# Altium PCB PCB2.PcbDoc (part 1 of 2) (continued)
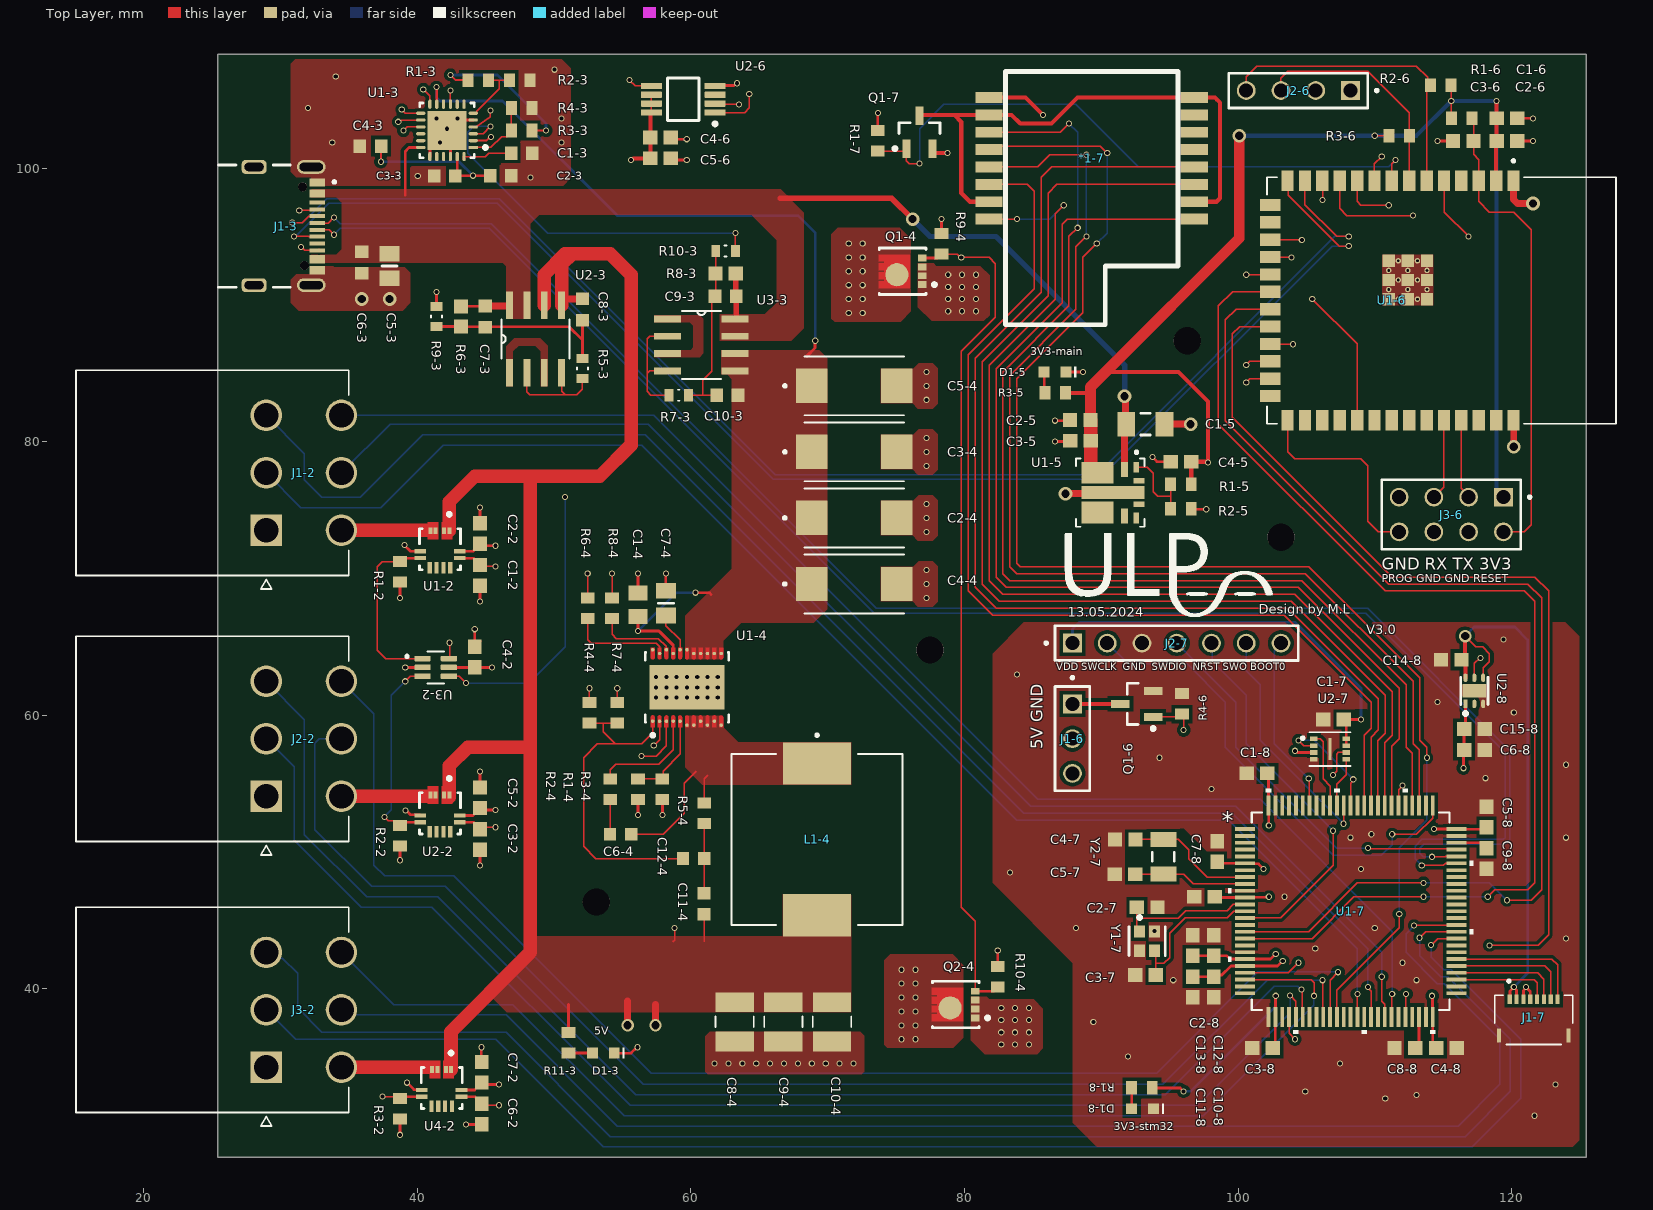
[diagram p0: Top Layer view]
## Components (designator, comment, footprint, x,y, rotation, side; value= is the part's Value field where it differs from the comment) (continued)

## Footprints (in the part's own frame and the unit in brackets; to place one, negate y for a bottom-side part, rotate by r counter-clockwise, add the part's x,y. Pads: shape width x height; smd on the part's side, far side on the other; paste and mask are expansions set on the pad)
ALEG-EX-12_V [mm] "QFN, 12-Leads, Body 3x3mm, Height 0.8mm"
  rect 0.5x0.3 smd paste-0.5 mask-0.5: 1(-1.348,0.682) 2(-1.348,0.301) 3(-1.348,-0.318) 4(-1.348,-0.699)
  rect 0.3x0.85 smd: 5(0.148,-1.45) 6(0.648,-1.45) 11(0.648,1.45) 12(0.148,1.45)
  rect 0.85x0.3 smd: 7(1.348,-0.75) 8(1.348,-0.25) 9(1.348,0.25) 10(1.348,0.75)
  Top Layer region: -2.002,-0.9 -0.702,-0.9 -0.702,-0.1 -2.002,-0.1
  Top Layer region: -2.002,0.1 -0.702,0.1 -0.702,0.9 -2.002,0.9
  silkscreen extent -2.68,-1.5 1.5,1.5, body extent -1.5,-1.5 1.5,1.5, height 0.81
ANTC3225X280N [mm]
  rect 1.45x2.81 smd: 1(-1.43,0) 2(1.43,0)
  silkscreen extent -0.39,-1.4 0.39,1.4, body extent -1.6,-1.25 1.6,1.25, height 2.8
CAPC1608X90N [mm]
  rect 0.89x0.93 smd: 1(-0.77,0) 2(0.77,0)
  body extent -0.8,-0.4 0.8,0.4, height 0.45
CAPC1608X94N [mm]
  rect 0.92x0.98 smd: 1(-0.775,0) 2(0.775,0)
  body extent -0.8,-0.41 0.8,0.41, height 0.5
CAPC1608X94X35NL15T15 [mm] "Chip Capacitor, 2-Leads, Body 1.75x0.96mm, IPC Medium Density"
  rect 1.05x1 smd: 1(-0.75,0) 2(0.75,0)
  body extent -0.87,-0.48 0.87,0.48, height 0.94
CAPC2012X135N [mm]
  rect 1.1x1.38 smd: 1(-0.863,0) 2(0.863,0)
  body extent -1,-0.63 1,0.63, height 1.35
CAPC2012X140N [mm]
  rect 1.15x1.45 smd: 1(-0.9,0) 2(0.9,0)
  silkscreen extent 0,-0.55 0,0.55, body extent -1,-0.63 1,0.63, height 1.35
CAPC3216X180X50NL20T25 [mm] "Chip Capacitor, 2-Leads, Body 3.40x1.80mm, IPC Medium Density"
  rect 1.3x1.8 smd: 1(-1.4,0) 2(1.4,0)
  silkscreen extent -0.35,-0.8 0.35,0.8, body extent -1.7,-0.9 1.7,0.9, height 1.8
CAPPM7343X310N [mm]
  rect 2.3x2.52 smd: 1(-3.11,0) 2(3.11,0)
  silkscreen extent -5.18,-2.15 3.65,2.15, body extent -3.65,-2.15 3.65,2.15, height 3.1
DGK0008A_M [mm] "TSOP, 8-Leads, Body 3.1x3.1mm, Pitch 0.65mm, IPC Low Density"
  rrect22% 1.55x0.45 smd: 1(-2.325,0.975) 2(-2.325,0.325) 3(-2.325,-0.325) 4(-2.325,-0.975) 5(2.325,-0.975) 6(2.325,-0.325) 7(2.325,0.325) 8(2.325,0.975)
  silkscreen extent -2.45,-1.55 1.15,1.92, body extent -2.45,-1.5 2.45,1.5, height 0.94
FP-002-16934-IPC_C [mm]
  rect 0.681x0.239 smd paste+0 mask+0: 1(-1.916,1.25)
  rrect100% 0.681x0.239 smd paste+0 mask+0: 2(-1.916,0.75) 3(-1.916,0.25) 4(-1.916,-0.25) 5(-1.916,-0.75) 6(-1.916,-1.25) 13(1.916,-1.25) 14(1.916,-0.75) 15(1.916,-0.25) 16(1.916,0.25) 17(1.916,0.75) 18(1.916,1.25)
  rrect100% 0.239x0.681 smd paste+0 mask+0: 7(-1.25,-1.916) 8(-0.75,-1.916) 9(-0.25,-1.916) 10(0.25,-1.916) 11(0.75,-1.916) 12(1.25,-1.916) 19(1.25,1.916) 20(0.75,1.916) 21(0.25,1.916) 22(-0.25,1.916) 23(-0.75,1.916) 24(-1.25,1.916)
  rect 2.85x2.85 smd paste-1000 mask+0: 25(0,0)
  silkscreen extent -2.93,-2 2,2, body extent -2.36,-2.36 2.36,2.36, height 0.25
FP-ABS07-MFG [mm]
  rect 1.1x1.9 smd paste+0 mask+0: 1(-1.25,0) 2(1.25,0)
  silkscreen extent -0.33,-0.8 0.33,0.8, body extent -1.9,-1.05 1.9,1.05, height 0.25
FP-CX2016DB-MFG [mm]
  rect 0.9x0.8 smd paste+0 mask+0: 1(-0.7,-0.55) 2(0.7,-0.55) 3(0.7,0.55) 4(-0.7,0.55)
  silkscreen extent -1.85,-1.33 1.05,1.33, body extent -1.25,-1.05 1.25,1.05, height 0.25
FP-DQG0008A-MFG [mm]
  rect 0.5x0.63 smd paste-1000 mask+0: 1(-0.975,-1.435) 2(-0.325,-1.435) 3(0.325,-1.435) 4(0.975,-1.435)
  round 1.696 smd paste-1000 mask+0: 5-6-7-8(-0.25,0.415)
  Top Layer region: -1.225,-0.56 1.225,-0.56 1.225,1.75 0.725,1.75 0.725,1.34 0.575,1.34 0.575,1.75 0.075,1.75 0.075,1.34 -0.075,1.34 -0.075,1.75 -0.575,1.75 -0.575,1.34 -0.725,1.34 -0.725,1.75 -1.225,1.75 -1.225,-0.56
  silkscreen extent -1.7,-2.45 1.7,1.7, body extent -1.8,-1.85 1.8,1.85, height 0.25
FP-DQP0022A-MFG [mm]
  round 0.252 smd paste-1000 mask+0: 1(-2.475,2.5) 2(-2.475,2) 3(-2.475,1.5) 4(-2.475,1) 5(-2.475,0.5) 6(-2.76,0) 7(-2.76,-0.5) 8(-2.475,-1) 9(-2.76,-1.5) 10(-2.475,-2) 11(-2.76,-2.5) 12(2.475,-2.5) 13(2.475,-2) 14(2.475,-1.5) 15(2.475,-1) 16(2.475,-0.5) 17(2.75,0) 18(2.75,0.5) 19(2.475,1) 20(2.75,1.5) 21(2.475,2) 22(2.75,2.5)
  rect 3.24x5.48 smd paste-1000 mask+0: 23(0,0)
  Top Layer region: -2.9,2.64 -2.19,2.64 -2.136,2.629 -2.091,2.599 -2.061,2.554 -2.05,2.5 -2.05,2.5 -2.061,2.446 -2.091,2.401 -2.136,2.371 -2.19,2.36 -2.19,2.36 -2.9,2.36
  Top Layer region: -2.9,2.14 -2.19,2.14 -2.136,2.129 -2.091,2.099 -2.061,2.054 -2.05,2 -2.05,2 -2.061,1.946 -2.091,1.901 -2.136,1.871 -2.19,1.86 -2.19,1.86 -2.9,1.86
  Top Layer region: -2.9,1.64 -2.19,1.64 -2.136,1.629 -2.091,1.599 -2.061,1.554 -2.05,1.5 -2.05,1.5 -2.061,1.446 -2.091,1.401 -2.136,1.371 -2.19,1.36 -2.19,1.36 -2.9,1.36
  Top Layer region: -2.9,1.14 -2.19,1.14 -2.136,1.129 -2.091,1.099 -2.061,1.054 -2.05,1 -2.05,1 -2.061,0.946 -2.091,0.901 -2.136,0.871 -2.19,0.86 -2.19,0.86 -2.9,0.86
  Top Layer region: -2.9,0.64 -2.19,0.64 -2.136,0.629 -2.091,0.599 -2.061,0.554 -2.05,0.5 -2.05,0.5 -2.061,0.446 -2.091,0.401 -2.136,0.371 -2.19,0.36 -2.19,0.36 -2.9,0.36
  Top Layer region: -2.9,0.14 -2.19,0.14 -2.136,0.129 -2.091,0.099 -2.061,0.054 -2.05,0 -2.05,0 -2.061,-0.054 -2.091,-0.099 -2.136,-0.129 -2.19,-0.14 -2.19,-0.14 -2.9,-0.14
  Top Layer region: -2.9,-0.36 -2.19,-0.36 -2.136,-0.371 -2.091,-0.401 -2.061,-0.446 -2.05,-0.5 -2.05,-0.5 -2.061,-0.554 -2.091,-0.599 -2.136,-0.629 -2.19,-0.64 -2.19,-0.64 -2.9,-0.64
  Top Layer region: -2.9,-0.86 -2.19,-0.86 -2.136,-0.871 -2.091,-0.901 -2.061,-0.946 -2.05,-1 -2.05,-1 -2.061,-1.054 -2.091,-1.099 -2.136,-1.129 -2.19,-1.14 -2.19,-1.14 -2.9,-1.14
  Top Layer region: -2.9,-1.36 -2.19,-1.36 -2.136,-1.371 -2.091,-1.401 -2.061,-1.446 -2.05,-1.5 -2.05,-1.5 -2.061,-1.554 -2.091,-1.599 -2.136,-1.629 -2.19,-1.64 -2.19,-1.64 -2.9,-1.64
  Top Layer region: -2.9,-1.86 -2.19,-1.86 -2.136,-1.871 -2.091,-1.901 -2.061,-1.946 -2.05,-2 -2.05,-2 -2.061,-2.054 -2.091,-2.099 -2.136,-2.129 -2.19,-2.14 -2.19,-2.14 -2.9,-2.14
  Top Layer region: -2.9,-2.36 -2.19,-2.36 -2.136,-2.371 -2.091,-2.401 -2.061,-2.446 -2.05,-2.5 -2.05,-2.5 -2.061,-2.554 -2.091,-2.599 -2.136,-2.629 -2.19,-2.64 -2.19,-2.64 -2.9,-2.64
  Top Layer region: 2.9,-2.64 2.19,-2.64 2.136,-2.629 2.091,-2.599 2.061,-2.554 2.05,-2.5 2.05,-2.5 2.061,-2.446 2.091,-2.401 2.136,-2.371 2.19,-2.36 2.19,-2.36 2.9,-2.36
  Top Layer region: 2.9,-2.14 2.19,-2.14 2.136,-2.129 2.091,-2.099 2.061,-2.054 2.05,-2 2.05,-2 2.061,-1.946 2.091,-1.901 2.136,-1.871 2.19,-1.86 2.19,-1.86 2.9,-1.86
  Top Layer region: 2.9,-1.64 2.19,-1.64 2.136,-1.629 2.091,-1.599 2.061,-1.554 2.05,-1.5 2.05,-1.5 2.061,-1.446 2.091,-1.401 2.136,-1.371 2.19,-1.36 2.19,-1.36 2.9,-1.36
  Top Layer region: 2.9,-1.14 2.19,-1.14 2.136,-1.129 2.091,-1.099 2.061,-1.054 2.05,-1 2.05,-1 2.061,-0.946 2.091,-0.901 2.136,-0.871 2.19,-0.86 2.19,-0.86 2.9,-0.86
  Top Layer region: 2.9,-0.64 2.19,-0.64 2.136,-0.629 2.091,-0.599 2.061,-0.554 2.05,-0.5 2.05,-0.5 2.061,-0.446 2.091,-0.401 2.136,-0.371 2.19,-0.36 2.19,-0.36 2.9,-0.36
  Top Layer region: 2.9,-0.14 2.19,-0.14 2.136,-0.129 2.091,-0.099 2.061,-0.054 2.05,0 2.05,0 2.061,0.054 2.091,0.099 2.136,0.129 2.19,0.14 2.19,0.14 2.9,0.14
  Top Layer region: 2.9,0.36 2.19,0.36 2.136,0.371 2.091,0.401 2.061,0.446 2.05,0.5 2.05,0.5 2.061,0.554 2.091,0.599 2.136,0.629 2.19,0.64 2.19,0.64 2.9,0.64
  Top Layer region: 2.9,0.86 2.19,0.86 2.136,0.871 2.091,0.901 2.061,0.946 2.05,1 2.05,1 2.061,1.054 2.091,1.099 2.136,1.129 2.19,1.14 2.19,1.14 2.9,1.14
  Top Layer region: 2.9,1.36 2.19,1.36 2.136,1.371 2.091,1.401 2.061,1.446 2.05,1.5 2.05,1.5 2.061,1.554 2.091,1.599 2.136,1.629 2.19,1.64 2.19,1.64 2.9,1.64
  Top Layer region: 2.9,1.86 2.19,1.86 2.136,1.871 2.091,1.901 2.061,1.946 2.05,2 2.05,2 2.061,2.054 2.091,2.099 2.136,2.129 2.19,2.14 2.19,2.14 2.9,2.14
  Top Layer region: 2.9,2.36 2.19,2.36 2.136,2.371 2.091,2.401 2.061,2.446 2.05,2.5 2.05,2.5 2.061,2.554 2.091,2.599 2.136,2.629 2.19,2.64 2.19,2.64 2.9,2.64
  silkscreen extent -3.62,-3.05 2.55,3.05, body extent -3,-3.15 3,3.15, height 0.25
FP-DRV0006C-IPC_C [mm]
  rect 0.606x0.292 smd paste+0 mask+0: 1(-0.953,0.65)
  rrect100% 0.606x0.292 smd paste+0 mask+0: 2(-0.953,0) 3(-0.953,-0.65) 4(0.953,-0.65) 5(0.953,0) 6(0.953,0.65)
  rect 1x1.7 smd paste-1000 mask+0: 7(0,0)
  silkscreen extent -1.78,-1 1,1, body extent -1.36,-1.1 1.36,1.1, height 0.25
GCT_USB4105-GF-A [mm]
  rect 0.6x1.15 smd: A1_B12(-3.2,4.755) A4_B9(-2.4,4.755) B1_A12(3.2,4.755) B4_A9(2.4,4.755)
  rect 0.3x1.15 smd: A5(-1.25,4.755) A6(-0.25,4.755) A7(0.25,4.755) A8(1.25,4.755) B5(1.75,4.755) B6(0.75,4.755) B7(-0.75,4.755) B8(-1.75,4.755)
  oval 1x2.1 hole 0.6 slot 1.7 at 90 deg: SH1(-4.346,4.312) SH2(4.294,4.312)
  rrect50% 1x1.8 hole 0.6 slot 1.4 at 90 deg: SH3(-4.346,0.132) SH4(4.294,0.132)
  round 0.65 hole 0.65 unplated: ""(-2.89,3.68) ""(2.864,3.812)
  silkscreen extent -4.5,-2.47 4.44,6.1, body extent -4.5,-2.47 4.44,5.24, height 3.31
IND_SRP1265A-330M [mm]
  rect 3.1x5 smd: 1(-5.55,0) 2(5.55,0)
  silkscreen extent -7.72,-6.25 6.25,6.25
INF-PG-SOT23_M [mm] "SOT23, 3-Leads, Body 2.9x1.3mm, Pitch 0.95mm, IPC Low Density"
  rect 1.35x0.6 smd: 1(-1.2,0.95) 2(-1.2,-0.95) 3(1.2,0)
  silkscreen extent -1.33,-1.5 0.7,1.92, body extent -0.7,-1.5 0.7,1.5, height 1.1
LQFP100_STM [mil]
  rect 57.56x11 smd paste+0 mask+0: 1(-304,236.22) 2(-304,216.54) 3(-304,196.85) 4(-304,177.17) 5(-304,157.48) 6(-304,137.8) 7(-304,118.11) 8(-304,98.43) 9(-304,78.74) 10(-304,59.06) 11(-304,39.37) 12(-304,19.69) 13(-304,0) 14(-304,-19.68) 15(-304,-39.37) 16(-304,-59.06) 17(-304,-78.74) 18(-304,-98.43) 19(-304,-118.11) 20(-304,-137.8) 21(-304,-157.48) 22(-304,-177.17) 23(-304,-196.85) 24(-304,-216.54) 25(-304,-236.22) 51(304,-236.22) 52(304,-216.54) 53(304,-196.85) 54(304,-177.17) 55(304,-157.48) 56(304,-137.8) 57(304,-118.11) 58(304,-98.43) 59(304,-78.74) 60(304,-59.06) 61(304,-39.37) 62(304,-19.68) 63(304,0) 64(304,19.69) 65(304,39.37) 66(304,59.06) 67(304,78.74) 68(304,98.43) 69(304,118.11) 70(304,137.8) 71(304,157.48) 72(304,177.17) 73(304,196.85) 74(304,216.54) 75(304,236.22)
  rect 11x57.56 smd paste+0 mask+0: 26(-236.22,-304) 27(-216.54,-304) 28(-196.85,-304) 29(-177.17,-304) 30(-157.48,-304) 31(-137.8,-304) 32(-118.11,-304) 33(-98.43,-304) 34(-78.74,-304) 35(-59.06,-304) 36(-39.37,-304) 37(-19.69,-304) 38(0,-304) 39(19.69,-304) 40(39.37,-304) 41(59.06,-304) 42(78.74,-304) 43(98.43,-304) 44(118.11,-304) 45(137.8,-304) 46(157.48,-304) 47(177.17,-304) 48(196.85,-304) 49(216.54,-304) 50(236.22,-304) 76(236.22,304) 77(216.54,304) 78(196.85,304) 79(177.17,304) 80(157.48,304) 81(137.8,304) 82(118.11,304) 83(98.43,304) 84(78.74,304) 85(59.06,304) 86(39.37,304) 87(19.69,304) 88(0,304) 89(-19.69,304) 90(-39.37,304) 91(-59.06,304) 92(-78.74,304) 93(-98.43,304) 94(-118.11,304) 95(-137.8,304) 96(-157.48,304) 97(-177.17,304) 98(-196.85,304) 99(-216.54,304) 100(-236.22,304)
  silkscreen extent -353,-353 353,353, body extent -319,-319 319,319, height 63
MOLEX_874270602 [mm]
  rect 2.3x2.3 / inner round 2.3 / far side rect 2.3x2.3 hole 1.8 mask+0.076: 1(0,0)
  round 2.3 hole 1.8 mask+0.076: 2(-4.2,0) 3(-8.4,0) 4(0,5.5) 5(-4.2,5.5) 6(-8.4,5.5)
  silkscreen extent -11.7,-13.9 4.3,6.04, body extent -11.81,-13.78 3.19,6.16, height 11.68
MOLEX_5034800800 [mm]
  rect 0.3x0.7 smd: 1(-1.75,0) 2(-1.25,0) 3(-0.75,0) 4(-0.25,0) 5(0.25,0) 6(0.75,0) 7(1.25,0) 8(1.75,0)
  rect 0.3x1 smd: S1(-2.54,-2.65) S2(2.54,-2.65)
  silkscreen extent -2.85,-3.3 2.85,1.43
PCBComponent_1 [mm]
  rect 0.8x2 smd: 1(0,-15) 2(2.54,-15) 3(3.81,-15) 4(5.08,-15) 5(6.35,-15) 6(0,0) 6(1.27,-15) 6(7.62,0) 6(7.62,-15) 7(8.89,-15) 8(8.89,0) 9(6.35,0) 10(5.08,0) 11(3.81,0) 12(2.54,0) 13(1.27,0)
  silkscreen extent -1.89,-13.8 16.61,-1.2
PSON50P200X300X60-9N [mm]
  rect 0.54x0.35 smd: 1(-1.185,0.75) 2(-1.185,0.25) 3(-1.185,-0.25) 4(-1.185,-0.75) 5(1.185,-0.75) 6(1.185,-0.25) 7(1.185,0.25) 8(1.185,0.75)
  rect 0.2x1.6 smd paste-2: 9(0,0)
  silkscreen extent -2.1,-1.24 1.5,1.24, body extent -1.5,-1 1.5,1, height 0.6
RES_ERJ3EKF1001V [mm]
  rect 0.65x0.9 smd: 1(-0.725,0) 2(0.725,0)
  silkscreen extent -0.08,-0.4 0.08,0.4, body extent -0.8,-0.4 0.8,0.4, height 0.45
RES_ERJ-3GEY0R00V [mm]
  rect 0.65x0.9 smd: 1(-0.725,0) 2(0.725,0)
  silkscreen extent -0.08,-0.4 0.08,0.4, body extent -0.8,-0.4 0.8,0.4, height 0.45
RESC1607X60N [mm]
  rect 1.04x1.02 smd: 1(-0.735,0) 2(0.735,0)
  body extent -0.8,-0.4 0.8,0.4, height 0.55
RESC1608X55X25ML10T15 [mm] "Chip Resistor, 2-Leads, Body 1.70x0.90mm, IPC Low Density"
  rect 0.8x1 smd: 1(-0.75,0) 2(0.75,0)
  body extent -0.85,-0.45 0.85,0.45, height 0.55
SAMTEC_TSW-103-07-G-S [mm]
  rect 1.37x1.37 hole 1.02: 01(-2.54,0)
  round 1.37 hole 1.02: 02(0,0) 03(2.54,0)
  silkscreen extent -4.56,-1.27 3.81,1.27
SAMTEC_TSW-104-07-G-D [mm]
  rect 1.37x1.37 hole 1.02: 01(-3.81,-1.27)
  round 1.37 hole 1.02: 02(-3.81,1.27) 03(-1.27,-1.27) 04(-1.27,1.27) 05(1.27,-1.27) 06(1.27,1.27) 07(3.81,-1.27) 08(3.81,1.27)
  silkscreen extent -5.83,-2.54 5.08,2.54
SAMTEC_TSW-104-07-G-S [mm]
  rect 1.37x1.37 hole 1.02: 01(-3.81,0)
  round 1.37 hole 1.02: 02(-1.27,0) 03(1.27,0) 04(3.81,0)
  silkscreen extent -5.83,-1.27 5.08,1.27
SAMTEC_TSW-107-07-G-S [mm]
  rect 1.37x1.37 hole 1.02: 01(-7.62,0)
  round 1.37 hole 1.02: 02(-5.08,0) 03(-2.54,0) 04(0,0) 05(2.54,0) 06(5.08,0) 07(7.62,0)
  silkscreen extent -9.64,-1.27 8.89,1.27
SOIC127P600X175-8N [mil]
  rect 78x20 smd: 1(-97,75) 2(-97,25) 3(-97,-25) 4(-97,-75) 5(97,-75) 6(97,-25) 7(97,25) 8(97,75)
  silkscreen extent -56,-98 56,98, body extent -118,-96 118,96, height 69
SOT65P210X110-6N [mm]
  rrect25% 1.19x0.4 smd: 1(-0.96,0.65) 2(-0.96,0) 3(-0.96,-0.65) 4(0.96,-0.65) 5(0.96,0) 6(0.96,0.65)
  silkscreen extent -2.2,-1.17 0.63,1.17, body extent -1.05,-1 1.05,1, height 1.1
VREG_TPSM84209RKHT [mm]
  rect 0.8x0.4 smd paste-1 mask+0: 1(-1.85,1.9) 6(1.85,1.9)
  rect 1.1x0.5 smd paste-2 mask+0: 2(-1.7,1.05) 5(1.7,1.05)
  rect 1.6x2.35 smd paste-2 mask+0: 3(-1.45,-0.925) 4(1.45,-0.925)
  rect 0.4x0.8 smd paste-1 mask+0: 7(0.85,2.1) 9(-0.85,2.1)
  rect 0.96x4.6 smd paste-3 mask+0: 8(0,0.2)
  silkscreen extent -3.05,-2.5 2.5,2.5, body extent -2,-2.25 2,2.25, height 2.05
WL-SMCW_0603_150060xx75000 [mm] "SMD Mono-color Chip LED, body 1.6x0.8mm"
  rect 0.8x0.8 smd: 1(-0.8,0) 2(0.8,0)
  silkscreen extent -1.55,-0.4 -1.4,0.4, body extent -0.8,-0.4 0.8,0.4, height 0.7
XCVR_ESP32-S3-WROOM-1-N16R2 [mm]
  rect 1.5x0.9 smd: 1(-8.75,5.26) 2(-8.75,3.99) 3(-8.75,2.72) 4(-8.75,1.45) 5(-8.75,0.18) 6(-8.75,-1.09) 7(-8.75,-2.36) 8(-8.75,-3.63) 9(-8.75,-4.9) 10(-8.75,-6.17) 11(-8.75,-7.44) 12(-8.75,-8.71) 13(-8.75,-9.98) 14(-8.75,-11.25) 27(8.75,-11.25) 28(8.75,-9.98) 29(8.75,-8.71) 30(8.75,-7.44) 31(8.75,-6.17) 32(8.75,-4.9) 33(8.75,-3.63) 34(8.75,-2.36) 35(8.75,-1.09) 36(8.75,0.18) 37(8.75,1.45) 38(8.75,2.72) 39(8.75,3.99) 40(8.75,5.26)
  rect 0.9x1.5 smd: 15(-6.985,-12.5) 16(-5.715,-12.5) 17(-4.445,-12.5) 18(-3.175,-12.5) 19(-1.905,-12.5) 20(-0.635,-12.5) 21(0.635,-12.5) 22(1.905,-12.5) 23(3.175,-12.5) 24(4.445,-12.5) 25(5.715,-12.5) 26(6.985,-12.5)
  rect 0.9x0.9 smd: 41_1(-1.5,-2.46) 41_2(-2.9,-2.46) 41_3(-0.1,-2.46) 41_4(-2.9,-3.86) 41_5(-1.5,-3.86) 41_6(-0.1,-3.86) 41_7(-2.9,-1.06) 41_8(-1.5,-1.06) 41_9(-0.1,-1.06)
  round 0.4 hole 0.2 mask+0: 41_10(-1.5,-1.76) 41_11(-2.9,-1.76) 41_12(-0.1,-1.76) 41_13(-2.9,-3.16) 41_14(-1.5,-3.16) 41_15(-0.1,-3.16) 41_16(-2.2,-1.06) 41_17(-0.8,-1.06) 41_18(-2.2,-2.46) 41_19(-0.8,-2.46) 41_20(-2.2,-3.86) 41_21(-0.8,-3.86)
  silkscreen extent -10.3,-12.75 9,12.75, body extent -9,-12.75 9,12.75, height 3.25

## Part data
*1-7: library part CMP-021-00007-7, Frequency=2.4GHz, Max Supply Voltage=3.6V, Min Supply Voltage=2.5V
C1-2 C1-6 C1-7 C1-8 C2-2 C2-6 C2-7 C2-8 C3-2 C3-6 C3-7 C3-8 C4-2 C4-6 C4-7 C4-8 C5-2 C5-6 C5-7 C5-8 C6-2 C6-8 C7-2 C7-8 C8-8 C9-8 C10-8 C11-8 C12-8 C13-8 C14-8 C15-8: library part CMP-001-00003-6, "Chip Capacitor, 1 uF, +/- 10%, 16 V, 0603 (1608 Metric)", Capacitor Type=Ceramic, Case/Package=0603, Max Operating Temperature=125°C, Min Operating Temperature=-55°C, Tolerance=10%, Voltage Rating=16V, Mounting Technology=SM, Pins=2, RoHS Compliant=True
C1-3 C4-3 C7-3 C8-3 C9-3 C10-3: library part 06035C105KAT2A, "CAP CER 1UF 50V X5R 0603", Package=None, Availability=Unavailable, MF="{'manufacturer': u'KYOCERA AVX Components Corporation'}", MP=06035C105KAT2A, Price=None
C1-4: "MLCC 0805 X5R 4.7uF Â±10% 35V T:0.85mm", Package=None, Availability=Unavailable, MF="{'manufacturer': u'Samsung'}", MP=CL21A475KLCLQNC, Price=None
C1-5: library part CMP-001-00016-6, "10 µF ±10% 50V Ceramic Capacitor X5R 1206 (3216 Metric)", Capacitor Type=Ceramic, Case/Package=1206, Max Operating Temperature=125°C, Min Operating Temperature=-55°C, Tolerance=10%, Voltage Rating=16V, Mounting Technology=SM, Pins=2, RoHS Compliant=True
C2-3 C3-3 C6-3: library part 06035C105KAT2A, "CAP CER 0.1UF 16V X7R 0603", Package=None, Availability=Unavailable, MF="{'manufacturer': u'KYOCERA AVX Components Corporation'}", MP=06035C105KAT2A, Price=None
C2-4 C3-4 C4-4 C5-4: library part TPSD107M016S0100, "CAP TANT POLY 22UF 35V 2917", Package=None, Availability=Unavailable, MF="{'manufacturer': u'AVX'}", MP=TPSD107M016S0100, Price=None
C2-5 C3-5 C4-5: library part CMP-001-00003-6, "47 µF ±20% 6.3V Ceramic Capacitor X5R 0603 (1608 Metric)", Capacitor Type=Ceramic, Case/Package=0603, Max Operating Temperature=125°C, Min Operating Temperature=-55°C, Tolerance=10%, Voltage Rating=16V, Mounting Technology=SM, Pins=2, RoHS Compliant=True
C5-3: "Cap Ceramic 4.7uF 50V X5R 10% SMD 0805 85Â°C Embossed Plastic T/R", Package=None, Availability=Unavailable, MF="{'manufacturer': u'Samsung Electro-Mechanics'}", MP=CL21A475KBQNNNE, Price=None
C6-4 C11-4 J1-3 J1-6 J2-6 J2-7 J3-6 U1-5 U1-6 U2-7 U3-2: Package=None, Availability=Unavailable, Price=None
  C6-4 C11-4: MF="{'manufacturer': u'Samsung Electro-Mechanics'}", MP=CL10B104KB8NNNC
  J1-3: MF="{'manufacturer': u'GCT'}", MP=USB4105-GF-A
  J1-6: MF="{'manufacturer': u'Samtec'}", MP=TSW-103-07-G-S
  J2-6: MF="{'manufacturer': u'Samtec'}", MP=TSW-104-07-G-S
  J2-7: MF="{'manufacturer': u'Samtec Inc.'}", MP=TSW-107-07-G-S
  J3-6: MF="{'manufacturer': u'Samtec'}", MP=TSW-104-07-G-D
  U1-5: MF="{'manufacturer': u'Texas Instruments'}", MP=TPSM84209RKHT
  U1-6: MF="{'manufacturer': u'Espressif Systems'}", MP=ESP32-S3-WROOM-1-N16R2
  U2-7: MF="{'manufacturer': u'Dialog Semiconductor'}", MP=AT25DF041B-MAHN-T
  U3-2: MF="{'manufacturer': u'Texas Instruments'}", MP=SN74LVC1G11DCKR
C7-4: "Capacitor: ceramic; MLCC; 1uF; 50V; X7R; Â±10%; SMD; 0805", Package=None, Availability=Unavailable, MF="{'manufacturer': u'Samsung Electro-Mechanics'}", MP=CL21B105KBFNNNE, Price=None
C8-4 C9-4 C10-4: "Cap Ceramic 100uF 10V X5R 20% SMD 1210 85Â°C Embossed T/R", Package=None, Availability=Unavailable, MF="{'manufacturer': u'Samsung Electro-Mechanics'}", MP=CL32A107MPVNNNE, Price=None
C12-4: library part CL10B104KB8NNNC, "CAP CER 1000PF 50V C0G/NP0 0603", Package=None, Availability=Unavailable, MF="{'manufacturer': u'Samsung Electro-Mechanics'}", MP=CL10B104KB8NNNC, Price=None
D1-3 D1-5 D1-8: library part CMP-1426-00006-6, Case Code (Imperial)=0603, Case Code (Metric)=1608, Color=Green, Forward Current=100mA, Forward Voltage=2V, Max Junction Temperature (Tj)=95°C, Max Operating Temperature=85°C, Max Reverse Voltage (DC)=5V, Min Operating Temperature=-40°C, Power Dissipation=72mW, Test Current=20mA, Case/Package=0603, Dominant Wavelength=570nm, Height=700µm, Length=1.6mm, Lens Style="Clear, Rectangular", Luminous Intensity=40mcd, Mount="Surface Mount", NexarPartId=29717778, Number of Pins=2, Packaging="Tape and Reel", Peak Wavelength=572nm, REACH SVHC=Unknown, Reverse Voltage=5V, RoHS=Compliant, Viewing Angle=140°, Wavelength=570nm, Width=800µm
J1-2 J2-2 J3-2: library part 874270602, Package=None, Availability=Unavailable, MP=874270602, Price=None
J1-7: "8 Position FFC, FPC Connector Contacts, Top and Bottom 0.020\" (0.50mm) Surface Mount, Right Angle", Package=None, Availability=Unavailable, MF="{'manufacturer': u'Molex'}", MP=5034800800, Price=None
L1-4: library part SRP1265A-330M, "Inductor Power Shielded Wirewound 33uH 20% 100KHz Carbonyl Powder 8A 58mOhm DCR Automotive T/R", Package=None, Availability=Unavailable, MF="{'manufacturer': u'Bourns'}", MP=SRP1265A-330M, Price=None
Q1-4 Q2-4: library part CMP-04962-000079-1, "MOSFET N-CH 30V 60A 8VSON", Continuous Drain Current (ID)=60A, Drain to Source Resistance=2.6mR, Drain to Source Voltage (Vdss)=30V, Gate to Source Voltage (Vgs)=20V, Input Capacitance=4.42nF, Max Operating Temperature=150°C, Max Power Dissipation=108W, Min Operating Temperature=-55°C, Package Quantity=250, Threshold Voltage=1.4V, Contact Plating=Tin, Element Configuration=Single, Fall Time=3ns, Lead Free="Contains Lead", Mount="Surface Mount", Number of Channels=1, Number of Pins=8, Packaging="Tape and Reel", Rds On Max=2.3mR, REACH SVHC="No SVHC", Rise Time=10ns, RoHS Compliant=Yes, Turn-Off Delay Time=20ns, Turn-On Delay Time=4ns, Weight=0.000847oz
Q1-6 Q1-7: library part CMP-1149-00036-1, "N-Channel OptiMOS 2 Small-Signal-Transistor, 20 V VDS, 2.3 A ID, -55 to 150 degC, PG-SOT23, Reel, Green", Manufacturer=Infineon, ComponentLink1Description="Manufacturer URL", ComponentLink1URL=http://www.infineon.com/, ComponentLink2Description=Datasheet, ComponentLink2URL=http://www.infineon.com/dgdl/BSS806N_Rev2.3_.pdf?folderId=db3a3043156fd573011622e10b5c1f67&fileId=db3a304330f686060131185f0553451c, ComponentLink3Description="Package Specification", ComponentLink3URL=http://www.infineon.com/dgdl/SOT23-Package_Overview.pdf?folderId=db3a30431936bc4b0119532290053c66&fileId=db3a30431936bc4b0119533468123c85, DatasheetVersion="Rev. 2.3", Green=TRUE, Halogen-free=TRUE, ID (max)="2.3Â A", IDpuls (max)="9.3Â A", Mounting Technology="Surface Mount", PackageDescription="3-Pin Small Outline Transistor Package, 2.9 x 1.3 mm Body, 0.95 mm Pitch", PackageReference=PG-SOT23, PackageVersion=Apr-08, Packing=Reel, PartNumber=BSS806N, Ptot (max)="0.5Â W", QG="1.7Â nC", RDS (on) (max)="57 mOhm", RDS (on) (max) (@1.8V)="82 mOhm", RDS (on) (max) (@2.5V)="57 mOhm", RthJA (max)="250 K/W", VDS (max)="20 V", VGS(th) (max)="0.75Â V", VGS(th) (min)="0.3Â V"
R1-2 R2-2 R3-2: library part CMP-009-00023-5, "Chip Resistor, 100 KOhm, +/- 1%, 0.1 W, -55 to 155 degC, 0603 (1608 Metric)", Case/Package=0603, Max Operating Temperature=155°C, Min Operating Temperature=-55°C, Power=100mW, Tolerance=1%, Voltage Rating=50V, Mounting Technology=SM, Pins=2, RoHS Compliant=True
R1-3 R1-4 R1-5 R1-6 R1-7 R1-8 R2-3 R2-4 R2-5 R2-6 R3-3 R3-4 R3-5 R3-6 R4-3 R4-4 R4-6 R5-4 R6-4 R7-4 R8-4 R9-4 R10-4 R11-3: library part CMP-009-00031-5, "Chip Resistor, 4.7 KOhm, +/- 1%, 0.1 W, -55 to 155 degC, 0603 (1608 Metric)", Case/Package=0603, Max Operating Temperature=155°C, Min Operating Temperature=-55°C, Power=100mW, Tolerance=1%, Mounting Technology=SM, Pins=2, RoHS Compliant=True
R5-3 R7-3: "<a href=\"https://pricing.snapeda.com/parts/ERJ-3GEY0R00V/Panasonic/view-part?ref=eda\">Check availability</a>", Package=None, Availability=Unavailable, MF="{'manufacturer': u'Panasonic'}", MP=ERJ-3GEY0R00V, Price=None
R6-3 R8-3: "RES 10K OHM 1% 1/10W 0603", Package=None, Availability=Unavailable, MF="{'manufacturer': u'Yageo'}", MP=RC0603FR-0710KL, Price=None
R9-3 R10-3: library part ERJ3EKF1001V, "RES SMD 1K OHM 1% 1/10W 0603", Package=None, Availability=Unavailable, MF="{'manufacturer': u'Panasonic'}", MP=ERJ3EKF1001V, Price=None
U1-2 U2-2 U4-2: library part CMP-1557-00001-1, "Hall Effect Linear Current Sensor with Overcurrent Fault Output for <100 V Isolation Applications, 3 to 5.5 V, -15.5 to 15.5 A IP, -40 to 125 degC, 12-Pin QFN (EX), RoHS, Tape and Reel", Temperature Max="125 degC", Temperature Min="-40 degC", -3dB Bandwidth="0.1 MHz", ComponentLink1Description="Manufacturer URL", ComponentLink1URL=http://www.allegromicro.com/, ComponentLink2Description=Datasheet, ComponentLink2URL=http://www.allegromicro.com/~/media/Files/Datasheets/ACS711-Datasheet.ashx?la=en, ComponentLink3Description="Package Specification", ComponentLink3URL=http://www.allegromicro.com/~/media/Files/Datasheets/ACS711-Datasheet.ashx?la=en, DatasheetVersion="Rev. 3", IP Max="15.5 A", IP Min="-15.5 A", Mounting Technology="Surface Mount", PackageDescription="12-Pin Quad Flat No-Lead, Body 3 x 3 mm, Height 0.8 mm", Packing="Tape and Reel", PartNumber=ACS711KEXLT-15AB-T, RoHS=TRUE, VCC Max="5.5 V", VCC Min="3 V"
U1-3: library part CMP-12917-000005-1, "IC USB TYPE-C PORT CONTROL 24QFN"
U1-4: library part CMP-04918-000329-1, "IC REG BUCK ADJUSTABLE 14A 22SON", Case/Package=SON, Max Input Voltage=22V, Max Operating Temperature=85°C, Max Output Current=14A, Max Output Voltage=5.5V, Min Input Voltage=1.5V, Min Operating Temperature=-40°C, Min Output Voltage=600mV, Package Quantity=2500, Quiescent Current=320uA, Switching Frequency=1MHz, Contact Plating=Gold, Efficiency=91%, Lead Free="Contains Lead", Mount="Surface Mount", Number Of Outputs=1, Number of Pins=22, Output Configuration=Positive, Output Current=14A, Output Type=Adjustable, Output Voltage=5.5V, Packaging="Tape and Reel", Radiation Hardening=No, RoHS Compliant=Yes, Series="D-CAP™, Eco-Mode™", Synchronous Rectifier=Yes
U1-7: "No Description Available", Mfr_Name=STMicroelectronics, RefDes=RefDes, Type=Type
U2-3 U3-3: "HEXFET Power MOSFET", Package=None, Availability=Unavailable, MF="{'manufacturer': u'Infineon'}", MP=IRF9358TRPBF, Price=None
U2-6: library part CMP-0066-00343-3, "Digital Temperature Sensor and Thermal Watchdog with Two-Wire Interface, 8-pin Mini SOIC, Pb-Free", Manufacturer="Texas Instruments", PackageTopMarking=ZXTT*T00A, PowerWise=N, Code_JEDEC=MO-187-AA, ComponentLink1Description="Datasheet URL", ComponentLink1URL=http://www.ti.com/general/docs/lit/getliterature.tsp?genericPartNumber=LM75A&fileType=pdf, CompType="Temp Sensor IC", PackageDescription="MINI SOIC, .118 x .118 x .034in, 8 Lead, .0256in Pitch", PackageReference=DGK0008A, PinCount=8, RoHS=Y
U2-8: library part CMP-04917-000362-1, "IC REG LINEAR 3.3V 1A 6WSON", RoHS Compliant=Yes
Y1-7: library part CMP-20727-000002-1, "CRYSTAL 40.0000MHZ 8PF SMD", Frequency=40MHz, Load Capacitance=8pF, Manufacturer="Kyocera International Inc. Electronic Components", Package=CX2016DB, Temperature="-30°C to +85°C", Temperature Range High=+85°C, Temperature Range Low=-30°C, Tolerance=15ppm, Automotive=No, Category=Crys, ComponentLink2Description=Datasheet, ComponentLink2URL=https://global.kyocera.com/prdct/electro/product/pdf/cx2016db_e.pdf, Device Class L1="Passive Components", Device Class L2="Crystals / Oscillators", Device Class L3=Crystals, Digikey Description="CRYSTAL 40.0000MHZ 8PF SMD", Esr=50Ω, Height=0.45mm, Lead Free=Yes, Manufacturer Part Number=CX2016DB40000D0FLJCC, Mouser Description="Crystal 40MHz 8pF 4-Pin SMD T/R", Octopart=https://octopart.com/cx2016db40000d0fljcc-avx+%2F+kyocera-71139660, RoHS=TRUE, Series=CX2016DB, Stability=15ppm
Y2-7: library part CMP-27762-014373-1, "Crystal 32.768kHz ±20ppm (Tol) 7pF FUND 70kΩ 2-Pin CSMD T/R", Case/Package=CSMD, ESR (Equivalent Series Resistance)=70kR, Frequency=32.768kHz, Frequency Stability=20ppm, Insulation Resistance=500MR, Load Capacitance=7pF, Max Operating Temperature=85°C, Min Operating Temperature=-40°C, Operating Frequency="32.768 kHz", Package Quantity=3000, Depth=1.5mm, Frequency Tolerance=20ppm, Height=0.9mm, Lead Free="Lead Free", Length=3.2mm, Mount="Surface Mount", Number of Pins=2, Packaging="Tape and Reel", Radiation Hardening=No, Series=ABS07, Series Resistance=70kR, Termination=SMD/SMT, Tolerance=20ppm, Width=1.5mm

## Free pads (board coordinates)
  oval 2x1.524 hole 2: 1(96.266,87.376) 1(103.124,73.025) 2(77.47,64.77) 3(53.086,46.355)

## Via types
v1: diameter 0.45, hole 0.3, Top Layer to Bottom Layer, 274 vias
v2: diameter 0.6, hole 0.3, Top Layer to Bottom Layer, 21 vias
v3: diameter 1, hole 0.6, Top Layer to Bottom Layer, 9 vias
v4: diameter 0.9, hole 0.6, Top Layer to Bottom Layer, 3 vias

## Nets (pads, with @x,y where several pads share a name; then routed paths per layer and width w, separated by ;. In a path a pad name is that pad's centre, name@x,y a point inside that pad or via, vN(x,y) a via of type N, cw(c..) or ccw(c..) an arc to the next point about the centre after c; other vN are vias at no path point)
5V_BUCK-switch: Q1-4.4 Q2-4.4 R9-4.2 R10-4.2 U1-6.19 | length 85.3
  Top Layer w0.1: R9-4.2@78.011,93.377 R9-4.2@78.33,93.696 ; R9-4.2@78.318,93.709 79.463,93.709 79.7,93.472 v1(79.756,93.472) 81.788,93.472 82.25,93.01 82.25,89.108 79.756,86.614 79.756,45.974 80.518,45.212 80.793,44.937 Q2-4.4@80.793,39.833 ; R10-4.2@82.112,39.833 R10-4.2@82.423,40.144 ; v1(100.584,92.202) 102.337,92.202 U1-6.19@102.358,92.223
  Top Layer w0.2: Q1-4.4@76.907,93.427 R9-4.2@77.985,93.427 ; Q2-4.4@80.793,39.833 R10-4.2@82.112,39.833
  Layer 3 w0.1: v1(79.756,93.472) 99.314,93.472 v1(100.584,92.202)
#CS-Flash: U1-7.91 U2-7.1 | length 5.6
  Top Layer w0.1: U2-7.1@105.531,58.281 105.981,58.281 106.197,58.064 106.197,55.347 106.715,54.829 U1-7.91@106.715,53.402
#current-fault: U1-6.31 U3-2.4 | length 107.2
  Top Layer w0.1: U3-2.4@42.701,62.85 43.068,62.85 v1(43.561,62.357) ; v1(105.41,90.424) 108.688,87.146 U1-6.31@108.688,81.568
  Top Layer w0.3: U3-2.4@42.306,62.85 U3-2.4@42.701,62.85
  Layer 3 w0.1: v1(50.8,75.946) 50.8,92.964 55.118,97.282 85.217,97.282 85.979,96.52 99.314,96.52 v1(105.41,90.424)
  Bottom Layer w0.1: v1(43.561,62.357) 48.133,62.357 50.8,65.024 v1(50.8,75.946)
+3V3: *1-7.1 C1-6.2 C2-2.2 C2-5.2 C2-6.2 C3-5.2 C4-2.1 C4-5.2 C4-6.2 C5-2.2 C5-6.2 C7-2.2 J3-6.01 R1-2.1 R1-5.2 R1-6.2 R2-2.1 R2-6.2 R3-2.1 R3-5.1 R3-6.2 U1-2.12 U1-5.3 U1-6.2 U2-2.12 U2-6.6 U2-6.7 U2-6.8 U3-2.5 U4-2.12 | length 285.2
  Top Layer w0.1: U2-6.8@57.111,104.054 U2-6.7@57.111,104.704 U2-6.6@57.111,105.354 ; v1(109.982,102.362) R3-6.2@111.01,102.362 ; v1@115.564,104.908 R2-6.2@115.564,106.039 ; R1-6.2@115.576,103.638 v1@115.576,104.896
  Top Layer w0.2: v1(38.735,29.337) R3-2.1@38.735,30.492 ; v1(38.735,49.403) R2-2.1@38.735,50.431 ; v1(38.735,68.58) R1-2.1@38.735,69.735 ; U3-2.5@42.306,63.5 C4-2.1@44.184,63.5 ; U2-2.12@43.106,52.684 44.061,52.684 C5-2.2@44.577,53.2 ; U1-2.12@43.106,71.988 44.061,71.988 C2-2.2@44.577,72.504 ; U4-2.12@43.233,32.618 44.188,32.618 44.704,33.134 44.818,33.02 v1(45.974,33.02) ; C4-2.1@44.208,63.5 v1(45.466,63.5) ; C2-2.2@44.577,72.529 44.716,72.39 v1(45.72,72.39) ; C5-2.2@44.703,53.099 44.716,53.086 v1(45.72,53.086) ; C2-6.2@118.848,101.945 C2-6.2@118.884,101.981
  Top Layer w0.3: C4-2.1@44.184,63.5 C4-2.1@44.196,63.512 C4-2.1@44.208,63.5 ; v1(55.626,100.584) 55.667,100.584 55.794,100.711 C5-6.2@57.035,100.711 C4-6.2@57.035,102.235 57.035,103.979 U2-6.8@57.11,104.054 ; *1-7.1@81.788,105.156 84.455,105.156 v1(85.725,103.886) ; R3-5.1@87.364,83.566 89.2,83.566 ; C2-5.2@89.2,81.583 C2-5.2@89.212,81.571 ; U1-5.3@89.212,78.235 U1-5.3@89.719,77.728 ; 90.297,85.09 95.631,85.09 97.79,82.931 v1(97.79,78.486) 97.749,78.486 97.7,78.535 C4-5.2@96.578,78.535 96.566,78.523 R1-5.2@96.566,76.884 ; R2-6.2@115.558,106.045 R2-6.2@115.564,106.039 ; v1@115.564,104.908 v1(115.57,104.902) v1@115.576,104.896 ; R1-6.2@115.576,103.638 R1-6.2@115.582,103.632 ; U1-6.2@118.848,99.068 C2-6.2@118.848,101.945 ; v1(118.872,104.902) 118.872,103.644 C1-6.2@118.884,103.632 C2-6.2@118.884,101.981
  Top Layer w0.381: C5-2.2@44.577,53.2 C5-2.2@44.577,53.225 C5-2.2@44.703,53.099 ; C2-2.2@44.577,72.504 C2-2.2@44.577,72.529
  Top Layer w0.8: C2-5.2@89.2,81.583 89.2,83.566 89.2,83.993 90.297,85.09 100.076,94.869 v3(100.076,102.362)
  Top Layer w1: U1-5.3@89.212,78.235 C3-5.2@89.212,80.059 C2-5.2@89.212,81.571
  Layer 3 w0.2: v1(38.735,49.403) 40.005,49.403 41.656,51.054 ; v1(38.735,68.58) 40.894,68.58 41.656,69.342 ; 41.656,34.798 43.434,33.02 v1(45.974,33.02) ; 41.656,54.102 42.672,53.086 v1(45.72,53.086) ; 41.656,73.152 42.418,72.39 v1(45.72,72.39) ; 43.18,63.754 43.434,63.5 v1(45.466,63.5)
  Layer 3 w0.3: v1(38.735,29.337) 41.275,29.337 41.656,29.718 41.656,34.798 41.656,51.054 41.656,54.102 41.656,62.23 43.18,63.754 43.18,67.818 41.656,69.342 41.656,73.152 41.656,77.978 46.99,83.312 46.99,96.266 51.308,100.584 v1(55.626,100.584) 56.388,101.346 69.596,101.346 70.612,102.362 84.201,102.362 ; v1(85.725,103.886) 84.201,102.362 ; v3(100.076,102.362) 84.201,102.362
  Bottom Layer w0.3: v3(100.076,102.362) 113.03,102.362 v1(115.57,104.902) v1(118.872,104.902) 118.872,76.454 J3-6.01@119.38,75.946
+3V3-1: C2-3.1 C3-3.1 C4-3.1 R1-3.2 R3-3.2 U1-3.2 U1-3.23 | length 32.8
  Top Layer w0.15: v1(37.338,100.457) 37.351,100.47 C4-3.1@37.351,101.6 C4-3.1@37.584,101.833 ; v1(42.418,106.807) 42.799,106.426 R1-3.2@43.7,106.426 ; C3-3.1@42.787,99.416 C3-3.1@42.812,99.441 ; U1-3.2@44.084,102.004 45.052,102.004 45.314,102.266 v1(45.384,102.266) ; R3-3.2@48.375,102.743 v1(49.403,102.743)
  Top Layer w0.2: C3-3.1@42.812,99.441 v1(44.069,99.441) C2-3.1@45.326,99.441 ; C3-3.1@42.918,99.674 U1-3.23@42.918,100.838
  Layer 3 w0.2: v1(44.069,99.441) 44.069,100.951 v1(45.384,102.266) 48.926,102.266 v1(49.403,102.743)
  Bottom Layer w0.2: v1(37.338,100.457) 43.053,100.457 v1(44.069,99.441) ; v1(42.418,106.807) 45.847,106.807 49.403,103.251 v1(49.403,102.743)
+5: J2-6.02
+5V: C8-3.2 C8-4.1 C9-4.1 C10-4.1 C11-4.1 C14-8.2 J1-6.02 J1-7.1 J1-7.2 L1-4.2 R1-4.1 R4-4.2 R11-3.1 U1-2.1 U1-2.2 U2-2.1 U2-2.2 U2-3.5 U2-3.6 U2-8.4 U2-8.6 U4-2.1 U4-2.2 | length 283.2
  Top Layer w0.1: R4-4.2@52.578,60.948 v1(52.578,61.976) ; 58.674,43.434 58.801,43.561 v1(58.801,44.45) ; 60.96,43.434 C11-4.1@60.96,45.458 ; v4(116.586,65.786) 117.348,65.024 117.856,65.024 118.364,64.516 118.364,63.932 117.907,63.475 U2-8.4@117.907,62.738
  Top Layer w0.2: R11-3.1@51.054,36.818 51.054,38.862 ; v1(56.134,52.705) R1-4.1@56.134,53.86 ; C14-8.2@116.583,64.297 C14-8.2@116.345,64.059 ; C14-8.2@116.586,64.325 C14-8.2@116.32,64.059 C14-8.2@116.345,64.059 ; C14-8.2@116.607,63.95 116.498,64.059 C14-8.2@116.345,64.059 ; J1-7.1@119.844,39.243 119.866,39.265 119.866,39.851 120.142,40.127 v1(120.142,40.132) 120.344,39.93 J1-7.2@120.344,39.243
  Top Layer w0.3: C14-8.2@116.586,64.325 v4(116.586,65.786) ; U2-8.6@116.607,62.738 C14-8.2@116.607,63.95
  Top Layer w0.5: U2-3.5@50.792,90.437 C8-3.2@52.07,90.437 ; v4(55.372,37.338) 55.372,39.116 ; v4(57.404,37.338) 57.404,38.862
  Top Layer w1: U2-2.1@42.338,54.014 U2-2.1@42.338,54.18 42.338,56.308 43.688,57.658 48.26,57.658 ; U1-2.1@42.338,73.484 42.338,75.612 44.196,77.47 48.26,77.47 ; U4-2.1@42.465,34.114 42.465,36.877 48.26,42.672 48.26,57.658 ; U2-3.6@49.276,89.967 49.276,92.202 50.8,93.726 51.308,93.726 ; U2-3.5@50.546,89.967 50.546,92.964 51.308,93.726 ; 48.26,57.658 48.26,77.47 ; 48.26,77.47 53.34,77.47 55.626,79.756 55.626,92.202 54.102,93.726 51.308,93.726
  Layer 3 w0.1: v1(52.578,61.976) 52.578,56.261 v1(56.134,52.705) 56.134,47.117 v1(58.801,44.45)
  Layer 3 w0.5: v4(55.372,37.338) 60.706,42.672 69.088,42.672 84.709,58.293 J1-6.02@87.884,58.293 ; v4(57.404,37.338) 61.468,41.402 69.85,41.402 81.788,53.34 94.742,53.34 107.188,65.786 v4(116.586,65.786)
  Bottom Layer w0.2: v4(116.586,65.786) 117.246,66.446 120.218,66.446 121.158,65.507 121.158,41.148 v1(120.142,40.132)
B_GND: C1-4.1 C2-4.2 C3-4.2 C4-4.2 C5-4.2 C7-4.1 C8-4.2 C9-4.2 C10-4.2 Q1-4.5-6-7-8 Q2-4.5-6-7-8 R3-4.2 R6-4.2 R7-4.1 R8-4.2 U1-4.23 | length 8.5
  Top Layer w0.1: R6-4.2@52.451,68.568 v1(52.451,70.358) ; R8-4.2@54.229,68.568 v1(54.229,70.358) ; R7-4.1@54.61,60.936 v1(54.61,61.976)
  Top Layer w0.2: C1-4.1@56.134,68.935 v1(56.134,70.358) ; v1(57.912,52.705) R3-4.2@57.912,53.86 ; C7-4.1@58.166,69.099 v1(58.166,70.358)
  other v1: 61.722,34.544 62.738,34.544 63.754,34.544 64.77,34.544 65.786,34.544 66.802,34.544 67.818,34.544 68.834,34.544 69.85,34.544 70.866,34.544 71.882,34.544 75.387,36.322 76.403,36.322 75.387,37.338 76.403,37.338 75.387,38.354 76.403,38.354 75.387,39.37 76.403,39.37 75.387,40.386 76.403,40.386 75.387,41.402 76.403,41.402 77.216,68.58 77.216,69.596 77.216,70.612 77.216,73.406 77.216,74.422 77.216,75.438 77.216,78.232 77.216,79.248 77.216,80.264 77.216,83.058 77.216,84.074 77.216,85.09 71.536,89.404 72.552,89.404 71.536,90.42 72.552,90.42 71.536,91.436 72.552,91.436 71.536,92.452 72.552,92.452 71.536,93.468 72.552,93.468 71.536,94.484 72.552,94.484
  other v2: 57.456,61.291 58.206,61.291 58.956,61.291 59.706,61.291 60.456,61.291 61.206,61.291 61.956,61.291 57.456,62.041 58.206,62.041 58.956,62.041 59.706,62.041 60.456,62.041 61.206,62.041 61.956,62.041 57.456,62.791 58.206,62.791 58.956,62.791 59.706,62.791 60.456,62.791 61.206,62.791 61.956,62.791
BOOT0: J2-7.07 U1-7.94 | length 13.2
  Top Layer w0.1: v1(105.156,55.372) 105.185,55.343 105.185,53.431 U1-7.94@105.215,53.402
  Bottom Layer w0.1: J2-7.07@103.124,65.278 103.124,65.196 102.616,64.688 102.616,57.912 v1(105.156,55.372)
CC1: J1-3.A5 U1-3.15 | length 16.8
  Top Layer w0.1: v1(31.369,96.901) 32.695,96.901 J1-3.A5@32.812,97.018 ; v1(38.989,102.743) 38.998,102.743 39.259,103.004 U1-3.15@40.252,103.004
  Layer 3 w0.1: v1(31.369,96.901) 30.861,96.901 30.48,97.282 30.48,100.838 32.385,102.743 v1(38.989,102.743)
CC2: J1-3.B5 U1-3.14 | length 21.3
  Top Layer w0.1: v1(31.496,94.234) 31.546,94.234 31.786,93.994 J1-3.B5@32.808,93.994 ; v1(38.608,103.378) 38.703,103.378 38.828,103.504 U1-3.14@40.252,103.504
  Top Layer w0.2: J1-3.B5@32.808,93.994 J1-3.B5@32.822,94.008
  Layer 3 w0.1: v1(31.496,94.234) 30.226,94.234 29.626,94.834 29.626,100.944 32.06,103.378 v1(38.608,103.378)
current-0: C1-2.1 U1-2.11 U1-6.12 | length 90.9
  Top Layer w0.1: C1-2.1@44.679,70.879 v1@45.707,70.879 ; U1-6.12@106.148,99.068 106.172,99.044 v1(106.172,97.657)
  Top Layer w0.2: U1-2.11@43.106,71.488 44.095,71.488 C1-2.1@44.577,71.006
  Top Layer w0.381: C1-2.1@44.577,71.006 C1-2.1@44.577,70.981 C1-2.1@44.679,70.879 ; v1@45.707,70.879 v1(45.72,70.866)
  Layer 3 w0.1: v1(45.72,70.866) 47.752,70.866 48.26,71.374 48.26,94.234 53.594,99.568 101.727,99.568 103.759,97.536 104.858,97.536 104.979,97.657 v1(106.172,97.657)
current-1: C3-2.1 U1-6.17 U2-2.11 | length 108.9
  Top Layer w0.1: C3-2.1@44.716,51.816 v1(45.72,51.816) ; U1-6.17@102.358,94.763 102.379,94.742 v1(104.648,94.742)
  Top Layer w0.2: U2-2.11@43.106,52.184 44.095,52.184 C3-2.1@44.577,51.702 ; C3-2.1@44.577,51.677 C3-2.1@44.716,51.816
  Top Layer w0.381: C3-2.1@44.577,51.677 C3-2.1@44.577,51.702
  Layer 3 w0.1: v1(45.72,51.816) 46.736,51.816 49.022,54.102 49.022,93.726 54.102,98.806 101.346,98.806 104.648,95.504 v1(104.648,94.742)